# Altium PCB spin5v1_simple.PcbDoc (part 12 of 25) (continued)
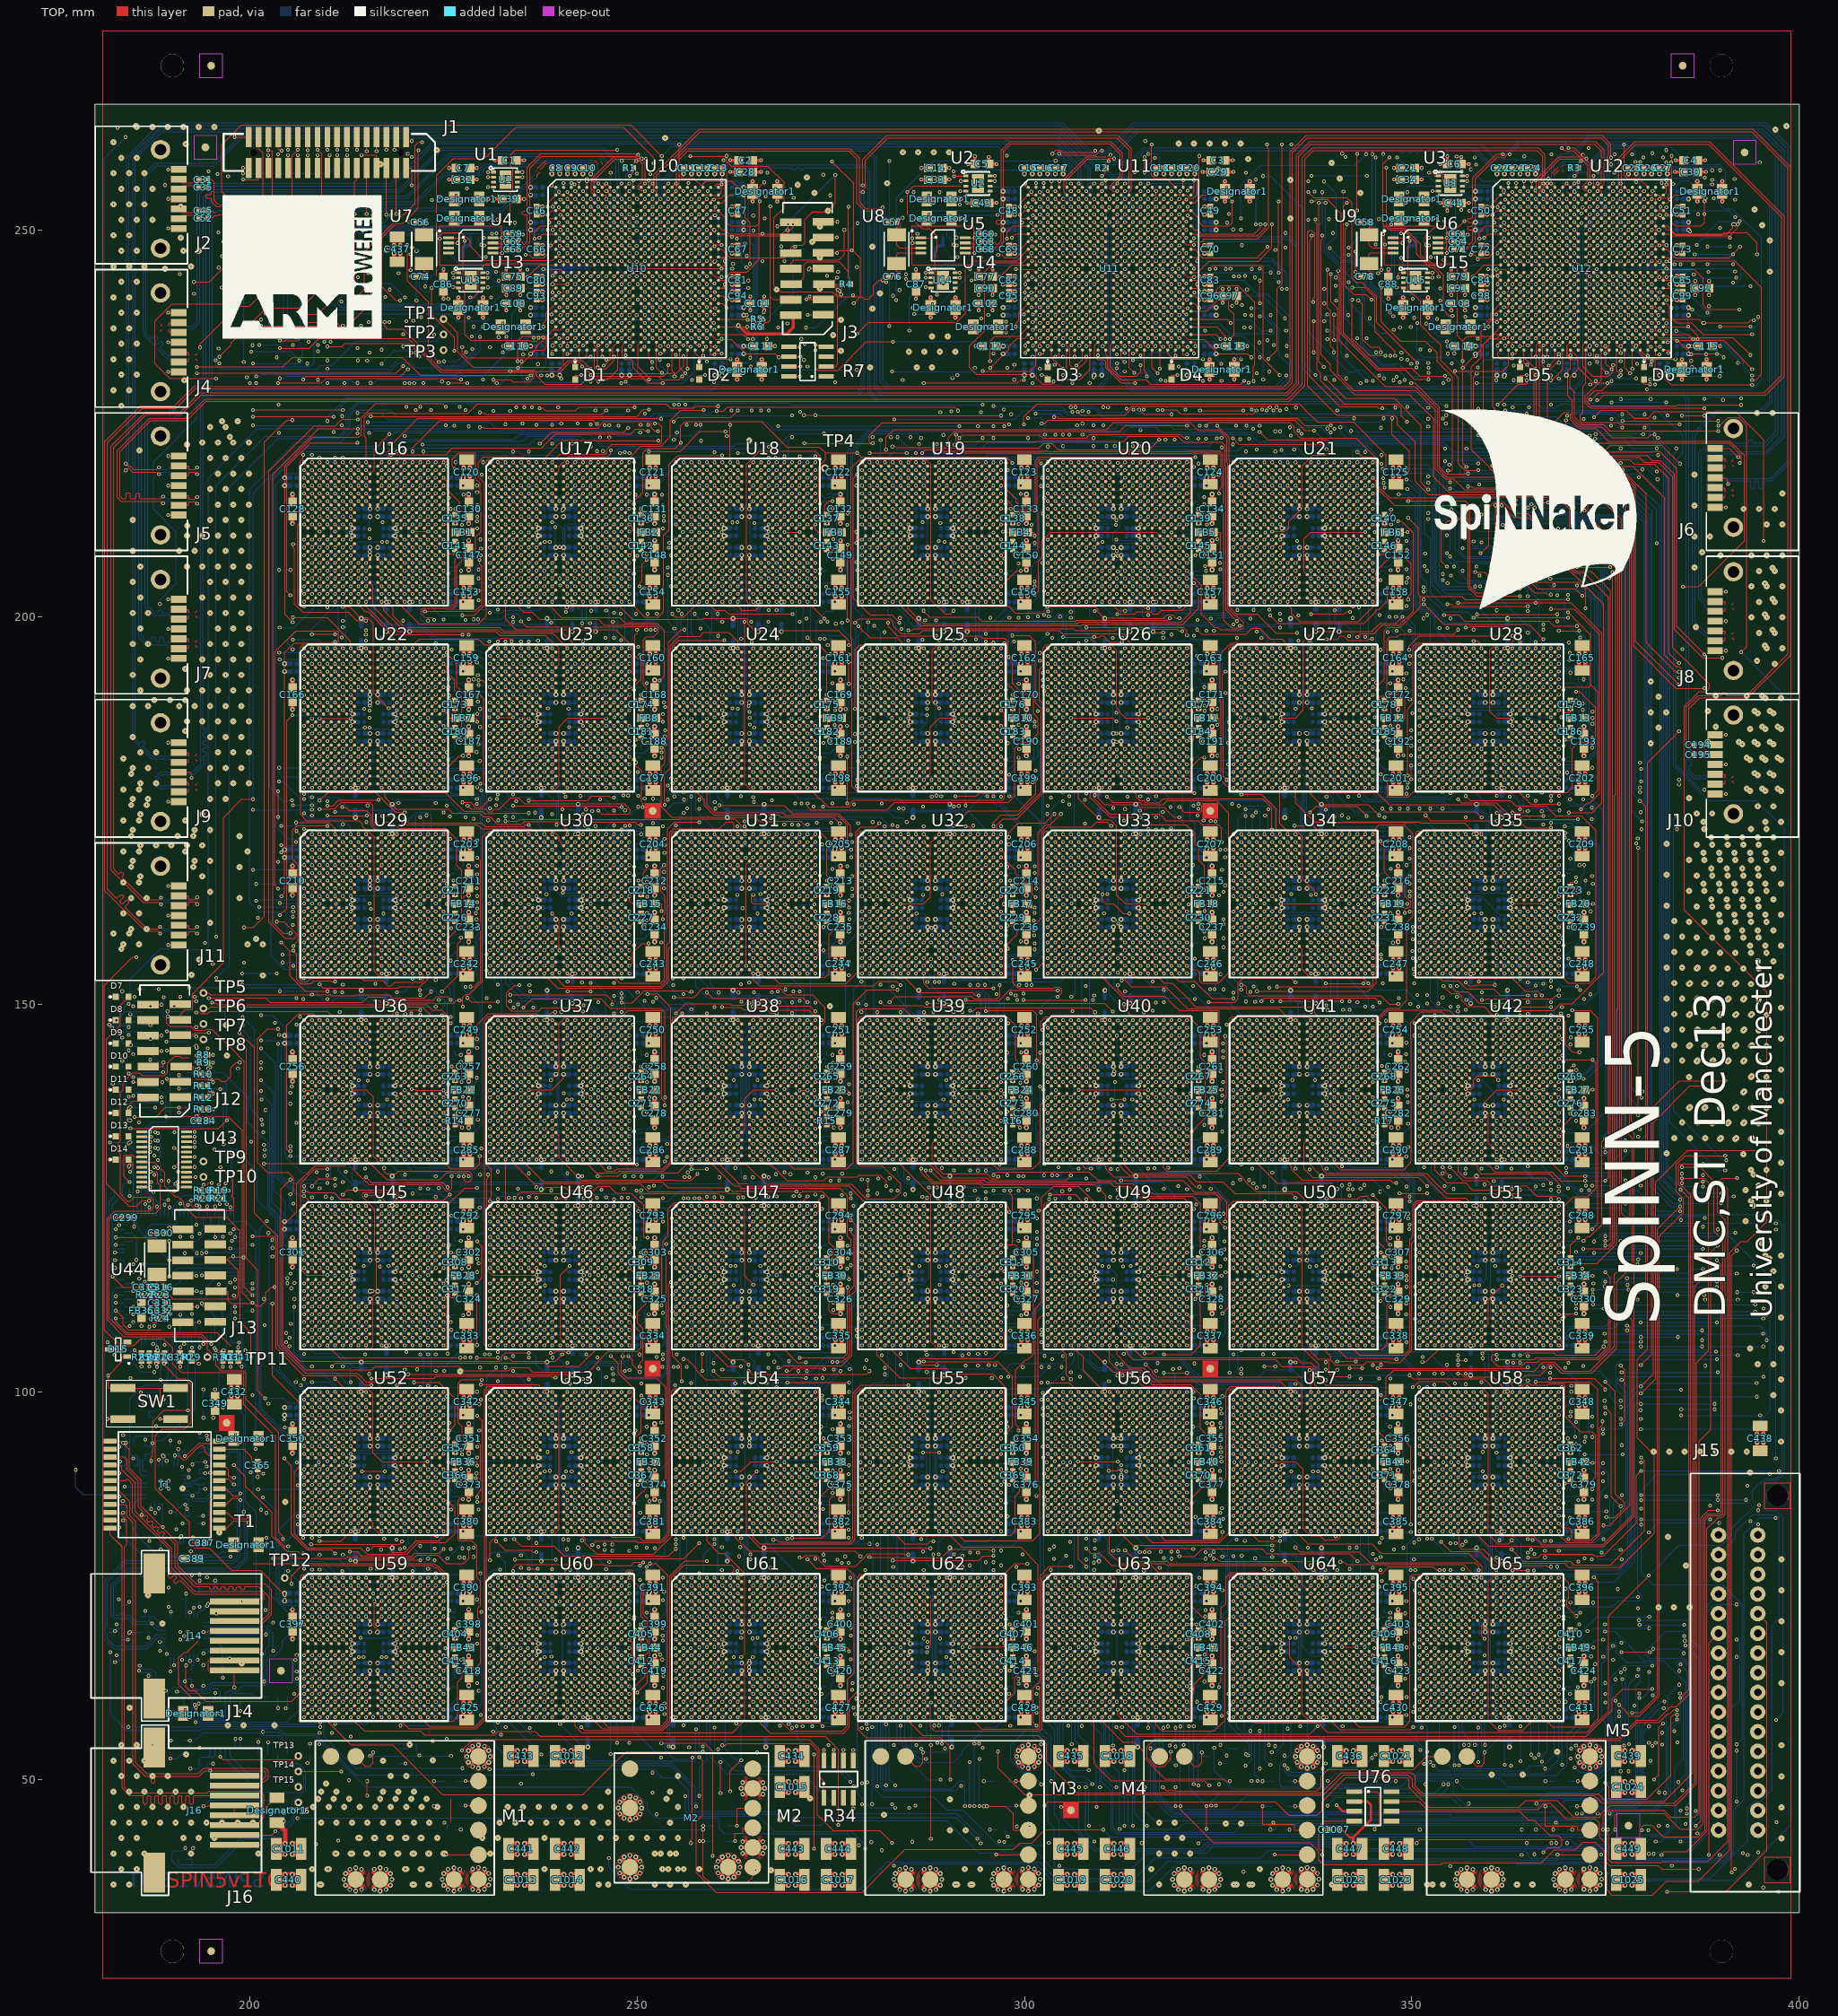
[diagram p0: TOP view]
## Nets (pads, with @x,y where several pads share a name; then routed paths per layer and width w, separated by ;. In a path a pad name is that pad's centre, name@x,y a point inside that pad or via, vN(x,y) a via of type N, cw(c..) or ccw(c..) an arc to the next point about the centre after c; other vN are vias at no path point) (continued)
  other v1: 365,133 368.8,202.853 354.641,204.395 354.464,226.094 328.497,239.021 319,240
S29_L1<5>: U11.U19 U42.V15 | length 55.9
  BOTTOM w0.127: v1(319,239) 319.431,239.431 319.431,242.051 319.876,242.496 324.235,242.496 324.762,241.969 327.997,241.969 328.328,242.3 v1(328.759,242.3) ; v1(346.321,249.465) v1(346.321,259.8) ; v1(366,130) 368.139,127.861 369.621,127.861 371.463,126.019 371.463,125.855 371.717,125.601 378.846,125.601 379.672,124.775 379.672,124.739 381.514,122.897 v1(395.434,122.897)
S29_L1<6>: U11.V19 U42.U15 | length 107.8
  BOTTOM w0.127: v1(358.595,212.069) 361.06,212.069 361.358,212.367 362.816,212.367 363.107,212.076 369.981,212.076 370.347,211.71 372.705,211.71 376.642,207.773 376.642,132.154 375.435,130.947 v1(375,130.947) ; v1(366,131) 366.432,130.568 366.432,129.942 366.94,129.434 v1(375,129.434)
  other v1: 319,238
S29_L1<7>: U11.V21 U42.T15 | length 7.1
  BOTTOM w0.127: v1(314.917,175.02) 316.431,173.506 316.431,171.95 316.812,171.569 318.178,171.569 318.432,171.823 318.432,172.301 v1(318.931,172.8)
  other v1: 366,132 329.17,151.635 320.901,238
S29_L1<8>: U11.V22 U42.R13 | length 14.1
  BOTTOM w0.127: v1(355,139) 355.431,138.569 355.431,135.939 355.939,135.431 359.228,135.431 360.117,134.542 360.117,133.267 360.816,132.568 363.568,132.568 v1(364,133)
  other v1: 354.1,230.23 348.5,237.4 326.619,238
S29_L1<9>: U11.W18 U42.V12
  other v1: 363,130 318,237 346.044,243.175
S29_L1<10>: U11.W20 U42.U12 | length 55.2
  BOTTOM w0.127: v1(320,237) 320.569,236.431 324.053,236.431 324.815,235.669 324.815,235.63 325.014,235.431 325.626,235.431 327.531,233.526 327.531,233.114 328.325,232.32 v1(328.756,232.32) ; v1(345.607,182.8) 345.607,183.232 345.408,183.431 344.939,183.431 344.431,183.939 344.431,206.232 344.232,206.431 340.95,206.431 340.569,206.812 340.569,213.232 340.768,213.431 346.705,213.431 346.904,213.63 346.904,213.647 347.144,213.887 v1(347.335,213.887) ; v1(362.875,128.842) 362.875,129.273 362.569,129.579 362.569,130.569 v1(363,131)
S29_L1<11>: U11.W22 U42.T12 | length 25.2
  TOP w0.127: v1(354.178,200.288) 356.066,200.288 356.843,199.511 367.753,199.511 368.403,198.861 v1(371.342,198.861) ; v1(364,173.919) v1(371.455,173.919)
  other v1: 363,132 325.934,235.918
S29_L1<12>: U11.Y18 U42.R12
  other v1: 363,133 349.267,143.6 349.919,184.4 336.3,185.067 318,236
S29_L1<13>: U11.Y21 U42.V13
  other v1: 364,130 362.2,209.672 356.793,210.191 349.475,233.244 329.297,233.561 314,235
S29_L1<14>: U11.Y22 U42.U13 | length 130.6
  BOTTOM w0.127: v1(325.327,235.918) 325.327,236.109 325.567,236.349 328.229,236.349 330.833,233.745 v1(330.833,230.7) ; v1(354.536,208.272) 354.968,208.704 354.968,212.225 354.711,212.482 354.711,213.301 354.91,213.5 355.365,213.5 356.159,212.706 356.159,212.684 356.259,212.584 360.936,212.584 360.973,212.621 363.324,212.621 363.615,212.33 370.235,212.33 370.601,211.964 372.959,211.964 376.896,208.027 376.896,132.04 375.372,130.516 374.52,130.516 372.797,132.239 369.884,132.239 369.685,132.04 369.685,132.004 369.177,131.496 364.496,131.496 v1(364,131)
  other v1: 345.8,231.23
S29_L1<15>: U11.AB19 U42.T13 | length 103.3
  TOP w0.127: v1(338.863,230.83) 341.423,228.27 347.727,228.27 351.22,224.777 351.22,217.417 v1(352.142,216.495) ; v1(361.635,214.439) 363.199,212.875 365.14,212.875 369.585,208.43 369.585,206.825 370.982,205.428 371.068,205.428 373.481,203.015 373.481,203.006 374.789,201.698 374.789,154.157 370.725,150.093 369.166,150.093 368.328,149.255 v1(364,149.255)
  other v1: 364,132 323.065,233.317
S29_L2<0>: U35.R5 U42.R16 | length 7.3
  BOTTOM w0.127: v1(355,157) 355.432,156.568 355.432,152.212 v1(357.063,150.581)
  other v1: 367,133 365,150.334 362,156
S29_L2<1>: U35.V3 U42.N15 | length 13.2
  TOP w0.127: v1(353,154) 353.925,153.075 356.024,153.075 357.072,152.027 360.605,152.027 361.436,151.196 v1(365,151.196)
  other v1: 366,135
S29_L2<2>: U35.V4 U42.N16 | length 4.1
  BOTTOM w0.127: v1(353.431,150.124) 353.431,153.431 v1(354,154)
  other v1: 367,135
S29_L2<3>: U35.U4 U42.N17
  other v1: 368,135 354,155
S29_L2<4>: U35.T4 U42.N18 | length 14.4
  BOTTOM w0.127: v1(358.6,140.242) 359.037,140.242 360.625,138.654 360.625,135.558 360.752,135.431 368.569,135.431 369,135
  other v1: 354,156
S29_L2<5>: U35.V5 U42.P16 | length 13
  TOP w0.127: v1(355,154) 355.597,153.403 363.004,153.403 364.675,151.732 366.264,151.732 v1(366.8,151.196)
  other v1: 367,134
S29_L2<6>: U35.U5 U42.P17 | length 17.1
  TOP w0.127: v1(355,152.39) 355.693,151.697 357.23,151.697 358.773,150.154 362.262,150.154 362.73,149.686 v1(368,149.686)
  BOTTOM w0.127: v1(355,152.39) 354.568,152.822 354.568,154.568 v1(355,155)
  other v1: 368,134
S29_L2<7>: U35.T5 U42.P18 | length 7.4
  TOP w0.127: v1(368,148.607) 368.431,148.607 368.607,148.431 369.178,148.431 369.862,147.747 369.862,144.814 370.815,143.861 v1(371.667,143.861)
  other v1: 369,134 350.339,152.735 355,156
S29_L2<8>: U35.R7 U42.V18 | length 6.9
  TOP w0.127: v1(369,130) 369.431,130.431 369.431,134.161 370.701,135.431 370.723,135.431 v1(371.227,135.935)
  other v1: 361,133 357,157
S29_L2<9>: U35.V6 U42.R17
  other v1: 368,133 369.4,149.662 356,154
S29_L2<10>: U35.U6 U42.R18
  other v1: 369,133 369.289,148.862 359.065,151.596 356,155
S29_L2<11>: U35.T6 U42.T16
  other v1: 367,132 365,148.824 355.863,152.39 356,156
S29_L2<12>: U35.R6 U42.T17
  other v1: 368,132 355.916,139 356,157
S29_L2<13>: U35.V7 U42.T18
  other v1: 369,132 368,153.068 357,154
S29_L2<14>: U35.U7 U42.U17 | length 12.4
  BOTTOM w0.127: v1(357,155) 357.391,155 357.822,155.431 362.178,155.431 362.496,155.113 362.496,153.873 363.449,152.92 364.301,152.92 364.783,152.438 365.201,152.438 365.662,152.899 366.338,152.899 366.569,152.668 v1(367,152.668)
  other v1: 368,131
S29_L2<15>: U35.T7 U42.U18 | length 10.2
  TOP w0.127: v1(359.065,150.585) 359.496,150.585 359.676,150.765 368.179,150.765 368.569,151.155 v1(369,151.155)
  other v1: 369,131 370.231,148.578 357,156
S30_L0<0>: U11.F18 U51.R11 | length 27.2
  BOTTOM w0.127: v1(362,109) 362.431,109.431 366.05,109.431 366.431,109.812 366.431,113.05 366.812,113.431 369.051,113.431 369.686,114.066 369.686,114.448 370.004,114.766 372.174,114.766 373.27,115.862 v1(384.256,115.862)
  other v1: 318,251
S30_L0<1>: U11.F19 U51.V10 | length 50.8
  BOTTOM w0.127: v1(327.965,251.465) 327.965,255.793 330.505,258.333 342.683,258.333 v1(344.134,259.784) ; v1(361,106) 361.597,105.403 362.884,105.403 363.107,105.18 v1(389.293,105.18)
  other v1: 319,251
S30_L0<2>: U11.F20 U51.U10 | length 21.5
  BOTTOM w0.127: v1(356.478,257.567) 356.478,256.392 357.05,255.82 360.067,255.82 360.512,255.375 360.512,254.877 360.893,254.496 365.113,254.496 365.431,254.178 365.431,245.95 365.812,245.569 366.263,245.569 v1(366.901,244.931)
  other v1: 361,107 371.91,126.032 373.291,166.6 371.342,204.116 367.85,205.605 320,251 354.2,251.132
S30_L0<3>: U11.G19 U51.T10 | length 26.5
  BOTTOM w0.127: v1(361,108) 360.568,108.432 360.568,110.177 360.822,110.431 365.05,110.431 365.431,110.812 365.431,114.068 365.876,114.513 369.233,114.513 369.432,114.712 369.432,115.885 370.639,117.092 v1(379.249,117.092)
  other v1: 353.173,246.442 319,250
S30_L0<4>: U11.G20 U51.R10 | length 29.4
  BOTTOM w0.127: v1(363.171,104.745) 363.711,104.205 370.493,104.205 371.037,104.749 v1(392.103,104.749)
  other v1: 361,109 320,250 389.8,250.246
S30_L0<5>: U11.G22 U51.V11 | length 171.6
  TOP w0.127: v1(338.456,249.293) 338.456,248.862 338.279,248.685 338.279,233.9 339.548,232.631 339.548,231.89 342.66,228.778 349.653,228.778 352.828,225.603 352.828,218.097 354.733,216.192 366.875,216.192 367.037,216.354 367.98,216.354 368.588,215.746 368.626,215.746 370.404,213.968 370.404,209.141 371.357,208.188 373.362,208.188 374.4,207.15 375.925,207.15 376.624,206.451 376.624,149.481 376.447,149.304 376.447,119.132 373.907,116.592 v1(371.237,116.592) ; v1(364,114.944) v1(369.001,114.944)
  other v1: 362,106 331.103,250.729
S30_L0<6>: U11.H16 U51.U11 | length 135.3
  BOTTOM w0.127: v1(338.686,256.265) 340.257,254.694 340.257,249.18 339.431,248.354 339.392,248.354 338.995,247.957 338.995,247.423 340.583,245.835 342.187,245.835 343.902,244.12 343.902,238.654 345.871,236.685 346.874,236.685 350.284,233.275 351.714,233.275 v1(352.145,232.844) ; v1(352.142,218.163) 351.711,217.732 351.711,210.81 352.431,210.09 352.431,203.155 353.955,201.631 353.955,201.624 354.352,201.227 358.571,201.227 360.678,199.12 363.887,199.12 v1(365,198.007) ; v1(359.4,125) 361.146,125 361.715,124.431 369.593,124.431 370.285,123.739 377.212,123.739 378.739,122.212 v1(379.594,122.212) ; v1(365.039,214.161) 365.038,214.162 365.038,214.824 365.237,215.023 366.066,215.023 366.243,214.846 366.857,214.846 367.327,214.376 369.504,214.376 369.974,214.846 376.515,214.846 378.928,212.433 378.928,177.963 v1(379.483,177.408)
  other v1: 362,107 316,249
S30_L0<7>: U11.H17 U51.T11 | length 1.9
  BOTTOM w0.127: v1(338.71,240.507) v1(338.71,242.39)
  other v1: 362,108 349.704,120.993 332.396,247.415 317,249
S30_L0<8>: U11.H18 U51.R9 | length 77.3
  BOTTOM w0.127: v1(314.062,226.797) 314.523,226.336 318.366,226.336 318.669,226.639 319.746,226.639 320.131,226.254 332.322,226.254 332.576,226.508 332.576,226.676 v1(333.007,226.676) ; v1(354.254,126.585) 353.061,127.778 353.014,127.778 352.569,128.223 352.569,143.232 352.768,143.431 367.05,143.431 367.431,143.812 367.431,150.343 367.812,150.724 v1(372.264,150.724) ; v1(354.942,217.439) 355.373,217.439 355.496,217.562 362.024,217.562 362.832,216.754 365.755,216.754 366.124,217.123 v1(367.999,217.123)
  other v1: 359,109 373.265,175.412 371.342,207.072 354.4,225.024 318,249 311.013,251
S30_L0<9>: U11.H19 U51.V8
  other v1: 356,106 358,106 319,249
S30_L0<10>: U11.H20 U51.U8 | length 20.9
  BOTTOM w0.127: v1(373.45,111.265) v1(394.36,111.265)
  other v1: 358,107 321.901,248.931 320,249 372.851,260.574
S30_L0<11>: U11.H21 U51.T8 | length 140.8
  TOP w0.127: v1(341.628,250.729) 341.628,250.298 341.45,250.12 341.45,242.769 342.53,241.689 344.124,241.689 v1(344.809,241.004) ; v1(372.185,119.496) 372.729,120.04 373.012,120.04 374.536,121.564 374.536,132.282 v1(375,132.746)
  BOTTOM w0.127: 358,108 358.431,108.431 359.05,108.431 360.193,109.574 360.193,118.861 360.828,119.496 v1(372.185,119.496) ; v1(362.2,211.506) 362.516,211.822 366.671,211.822 367.806,210.687 371.626,210.687 374.928,207.385 374.928,203.183 375.354,202.757 375.354,133.495 375.036,133.177 375,133.177 v1(375,132.746)
  other v1: 321.901,248.065
S30_L0<12>: U11.H22 U51.R8 | length 71.2
  TOP w0.127: U11.H22@321.5,248.5 322.934,248.5 323.254,248.82 330.073,248.82 331.534,250.281 331.534,260.398 331.333,260.599 v1(331.333,261.03)
  BOTTOM w0.127: v1(357.001,115.069) 356.568,115.502 356.568,122.19 356.886,122.508 367.177,122.508 367.431,122.762 367.431,123.05 367.812,123.431 370.417,123.431 370.862,122.986 370.862,122.269 371.37,121.761 v1(397.037,121.761)
  other v1: 358,109
S30_L0<13>: U11.J19 U51.V9
  other v1: 359,106 319,248
S30_L0<14>: U11.J20 U51.U9 | length 42.8
  BOTTOM w0.127: v1(311.869,210) 312.3,210 312.366,209.934 314.461,209.934 314.561,210.034 314.561,210.177 314.815,210.431 321.21,210.431 321.607,210.034 v1(321.607,209) ; v1(313,244.931) 313.431,245.362 313.431,247.05 313.812,247.431 319.431,247.431 v1(320,248) ; v1(331,163.068) 331.637,162.431 333.232,162.431 333.431,162.232 333.431,162.034 333.531,161.934 338.461,161.934 338.561,162.034 338.561,162.177 338.815,162.431 345.449,162.431 345.784,162.766 347.755,162.766 347.952,162.569 351.207,162.569 351.569,162.931 v1(352,162.931)
  other v1: 359,107 358.067,113.758 355,114.998 354,150.924 329,163.069
S30_L0<15>: U11.J22 U51.T9 | length 18.2
  TOP w0.127: v1(342.312,242.568) 343.906,242.568 345.24,241.234 345.24,236.91 347.018,235.132 347.035,235.132 347.861,234.306 v1(347.861,233.761) ; U51.T9@359.5,108.5 359.891,108.891 359.891,111.928 v1(361.705,113.742)
  other v1: 358,108 359,108 361,111 361,119 361.001,128.972 351.562,202.288 331.402,247.815
S30_L1<0>: U11.J16 U51.V16 | length 27.3
  BOTTOM w0.127: v1(348.658,249.551) 352.299,249.551 353.95,247.9 353.95,246.976 354.395,246.531 v1(356.5,246.531) ; v1(357.994,209.791) 358.425,209.791 358.825,210.191 370.509,210.191 371.052,209.648 371.174,209.648 v1(371.549,209.273) ; v1(371.232,110.773) v1(374.8,110.773)
  other v1: 367,106 316,248
S30_L1<1>: U11.J17 U51.V14
  other v1: 365,106 317,248
S30_L1<2>: U11.K16 U51.U14 | length 32
  BOTTOM w0.127: v1(365,107) 365.431,106.569 369.232,106.569 369.431,106.768 369.431,107.159 370.511,108.239 376.123,108.239 377.387,109.503 v1(395.401,109.503)
  other v1: 316,247 379.503,258.774
S30_L1<3>: U11.K17 U51.T14 | length 43.7
  BOTTOM w0.127: v1(341.882,247.725) 344.918,250.761 v1(344.918,259.799) ; v1(365,108) 365.493,108.493 375.057,108.493 376.929,110.365 v1(394.36,110.365)
  other v1: 317,247
S30_L1<4>: U11.K18 U51.R14 | length 57.6
  BOTTOM w0.127: v1(363,115) 363.431,115 363.806,115.375 367.986,115.375 368.431,115.82 368.431,117.078 368.876,117.523 388.006,117.523 389.225,116.304 v1(394.16,116.304) ; v1(374,257.508) 374,258.663 376.159,260.822 383.34,260.822 385.723,258.439 389.705,258.439 390.531,257.613 390.531,255.124 v1(391.755,253.9)
  other v1: 365,109 318,247
S30_L1<5>: U11.K19 U51.V15 | length 31.1
  BOTTOM w0.127: v1(345.349,248.133) v1(345.349,259.368) ; v1(371.237,118.034) 372.645,118.034 373.076,118.465 v1(387.6,118.465) ; v1(388.201,245.576) v1(391.5,245.576)
  other v1: 366,106 319,247
S30_L1<6>: U11.K20 U51.U15
  other v1: 366,107 379.201,171.43 320,247
S30_L1<7>: U11.K21 U51.T15 | length 119.3
  BOTTOM w0.127: v1(354.942,216.623) 355.373,216.623 355.75,216.246 366.648,216.246 366.756,216.354 369.25,216.354 369.858,215.746 377.567,215.746 380.552,212.761 380.552,133.453 375.408,128.309 v1(369.959,128.309)
  other v1: 366,108 321.07,246
S30_L1<8>: U11.K22 U51.R13 | length 65.1
  TOP w0.127: v1(364,104.749) 364.431,104.749 364.749,105.067 368.337,105.067 368.62,104.784 373.719,104.784 v1(374.8,105.865) ; v1(371.981,209.703) v1(375.952,209.703)
  BOTTOM w0.127: v1(322.332,246) 331.924,246 333.258,244.666 v1(333.258,242.379) ; v1(334.27,224.529) 338.286,224.529 339.927,222.888 357.294,222.888 357.705,222.477 361.723,222.477 362.408,221.792 v1(369,221.792)
  other v1: 364,109
S30_L1<9>: U11.L17 U51.V12 | length 53.3
  BOTTOM w0.127: v1(339.426,247.669) 341.006,246.089 342.328,246.089 344.17,244.247 344.17,243.033 346.964,240.239 348.729,240.239 v1(350.314,238.654) ; v1(354.864,219.704) 355.439,220.279 363.239,220.279 363.847,219.671 370.607,219.671 370.872,219.936 v1(377,219.936) ; v1(362.932,125.2) 363.363,125.2 363.594,125.431 369.886,125.431 371.008,124.309 v1(377.6,124.309)
  other v1: 363,106 317,246
S30_L1<10>: U11.L19 U51.U12 | length 39.4
  BOTTOM w0.127: v1(329.889,250.73) v1(329.889,256.517) ; v1(363,107) 363.432,106.568 363.432,105.942 363.94,105.434 388.212,105.434 388.643,105.865 v1(395.403,105.865)
  other v1: 397.037,120.941 319,246
  other v3: 393.688,105.591
S30_L1<11>: U11.L20 U51.T12
  other v1: 363,108 360.6,127.209 359,213.269 349.885,237.481 350.142,241.107 320,246
S30_L1<12>: U11.L22 U51.R12 | length 4.4
  TOP w0.127: v1(314.793,226.791) 315.376,226.208 v1(319,226.208)
  other v1: 363,109 328.001,129.372 325.73,164.558 315,244.966 321.901,245
S30_L1<13>: U11.M20 U51.V13 | length 114.8
  BOTTOM w0.127: v1(355.141,213.931) 355.587,213.931 356.413,213.105 356.413,213.092 356.667,212.838 360.428,212.838 360.465,212.875 363.832,212.875 364.123,212.584 370.489,212.584 370.855,212.218 374.927,212.218 377.15,209.995 377.15,130.948 375.118,128.916 v1(369.959,128.916) ; v1(364,126.075) v1(368,126.075)
  other v1: 364,106 353.272,238.5 320,244
S30_L1<14>: U11.M21 U51.U13 | length 109
  TOP w0.127: v1(330.402,240.52) v1(330.402,243.465) ; v1(358.431,200.377) v1(368.8,200.377) ; v1(372.176,118.465) 375.367,118.465 376.193,119.291 376.193,176.995 376.37,177.172 376.37,206.324 375.798,206.896 v1(372.434,206.896)
  other v1: 364,107 371.232,111.38 347.693,237.116 321.913,243.931
S30_L1<15>: U11.M22 U51.T13 | length 14.8
  TOP w0.127: U11.M22@321.5,244.5 322.375,244.5 323.814,245.939 330.187,245.939 331.965,247.717 v1(331.965,250.73)
  other v1: 364,108 365,129.105
S30_L2<0>: U42.R5 U51.R16
  other v1: 367,109 356.918,128.209 355,133
S30_L2<1>: U42.V3 U51.N15 | length 13.9
  TOP w0.127: v1(353,130) 353,128.604 354.588,127.016 356.927,127.016 357.846,126.097 362.272,126.097 362.731,125.638 363.362,125.638 v1(364,125)
  other v1: 366,111
S30_L2<2>: U42.V4 U51.N16
  other v1: 367,111 354,130
S30_L2<3>: U42.U4 U51.N17
  other v1: 368,111 354,131
S30_L2<4>: U42.T4 U51.N18 | length 19.2
  TOP w0.127: v1(354.931,129.015) 355.619,128.327 355.619,128.286 356.635,127.27 359.758,127.27 360.412,126.616 364.84,126.616 366.163,125.293 368.569,125.293 v1(369,124.862)
  BOTTOM w0.127: v1(354,132) 354.504,131.496 354.504,129.873 354.931,129.446 v1(354.931,129.015)
  other v1: 369,111
S30_L2<5>: U42.V5 U51.P16
  other v1: 367,110 355,130
S30_L2<6>: U42.U5 U51.P17
  other v1: 368,110 368,124.862 355,131
S30_L2<7>: U42.T5 U51.P18 | length 2.3
  TOP w0.127: v1(369,110) 369.431,110 369.547,110.116 v1(371.227,110.116)
  other v1: 370.116,131.742 355,132
S30_L2<8>: U42.R7 U51.V18 | length 7.8
  BOTTOM w0.127: v1(359.4,126.778) 360.951,126.778 361.11,126.937 366.346,126.937 366.569,126.714 v1(367,126.714)
  other v1: 369,106 357,133
S30_L2<9>: U42.V6 U51.R17 | length 14.2
  TOP w0.127: v1(356,130) 356,128.466 356.826,127.64 367.282,127.64 v1(368,126.922)
  other v1: 368,109
S30_L2<10>: U42.U6 U51.R18
  other v1: 369,109 356,131
S30_L2<11>: U42.T6 U51.T16 | length 19.1
  BOTTOM w0.127: v1(358.466,116.258) 357.693,116.258 357.439,116.004 357.439,107.949 357.82,107.568 366.568,107.568 367,108
  other v1: 356,132
S30_L2<12>: U42.R6 U51.T17
  other v1: 368,108 369.431,111.43 356.973,128.816 356,133
S30_L2<13>: U42.V7 U51.T18 | length 14
  TOP w0.127: v1(357,130) 357.597,129.403 358.242,129.403 358.496,129.149 358.496,128.656 359.004,128.148 367.809,128.148 368.825,127.132 368.825,127.112 369.001,126.936 v1(369.001,126.505)
  other v1: 369,108
S30_L2<14>: U42.U7 U51.U17 | length 16.4
  BOTTOM w0.127: v1(357,131) 357.432,131.432 363.177,131.432 363.431,131.178 363.431,129.639 365.717,127.353 369.109,127.353 v1(370.2,126.262)
  other v1: 368,107
S30_L2<15>: U42.T7 U51.U18 | length 12
  TOP w0.127: v1(359.128,104.972) 359.559,105.403 369.034,105.403 369.431,105.8 369.431,106.569 v1(369,107)
  other v1: 357,132
S31_L0<0>: U12.A2 U58.R11 | length 43
  BOTTOM w0.127: v1(369.607,71.031) 369.607,71.256 369.847,71.496 371.051,71.496 371.84,72.285 376.025,72.285 376.748,73.008 379.344,73.008 379.662,73.326 379.662,73.698 379.182,74.178 379.182,86.891 381.659,89.368 v1(396.237,89.368)
  other v1: 362,85 362.5,256.067
S31_L0<1>: U12.A3 U58.V10 | length 64
  TOP w0.127: v1(361,82) 361.597,81.403 365.719,81.403 366.545,80.577 366.545,80.53 366.799,80.276 374.675,80.276 378.485,84.086 378.485,109.249 v1(377.8,109.934)
  BOTTOM w0.127: v1(377.8,109.934) v1(395.837,109.934)
  other v1: 363.5,256.067 382.876,258.737
S31_L0<2>: U12.A4 U58.U10 | length 91.1
  TOP w0.127: v1(356.8,251.132) 355.983,250.315 352.881,250.315 351.801,249.235 351.801,246.494 352.627,245.668 355.065,245.668 355.891,244.842 355.891,236.36 356.62,235.631 356.62,219.866 v1(357.069,219.417) ; v1(363.001,101.407) 364.261,102.667 365.813,102.667 366.448,103.302 366.448,103.347 366.956,103.855 368.425,103.855 369.124,103.156 369.124,103.145 369.569,102.7 373.018,102.7 376.193,105.875 376.193,115.195 377,116.002 v1(377,119.503)
  BOTTOM w0.127: v1(357.069,219.417) 357.069,218.986 356.832,218.749 356.832,218.324 357.086,218.07 363.852,218.07 364.052,217.87 376.475,217.87 376.79,217.555 v1(377.221,217.555)
  other v1: 361,83 364.5,256.317
S31_L0<3>: U12.A5 U58.T10 | length 62.1
  BOTTOM w0.127: 361,84 361.431,83.569 361.431,81.794 360.897,81.26 360.897,79.574 361.405,79.066 362.598,79.066 362.995,78.669 362.995,78.651 364.265,77.381 366.805,77.381 367.182,77.004 376.733,77.004 378.194,78.465 378.194,99.932 379.401,101.139 v1(394.535,101.139)
  other v1: 365.5,256.317 382.886,260.314
S31_L0<4>: U12.B1 U58.R10 | length 40.8
  TOP w0.127: v1(365.015,78.635) 366.328,78.635 366.762,79.069 373.344,79.069 373.578,78.835 374.738,78.835 378.993,83.09 378.993,89.179 v1(379.613,89.799)
  BOTTOM w0.127: v1(379.613,89.799) v1(397.437,89.799)
  other v1: 360.964,78.635 361,85 360.434,252.998 358.139,259.377 381.065,259.914
S31_L0<5>: U12.B2 U58.V11 | length 98.7
  TOP w0.127: v1(371.278,216.185) 371.709,216.185 372.132,216.608 373.987,216.608 374.686,215.909 374.686,215.013 377.132,212.567 377.132,123.06 v1(377.8,122.392)
  other v1: 373.415,72.8 365.607,80.874 370.262,81.003 356,82 362,82 361,84 361.901,254.931
S31_L0<6>: U12.B3 U58.U11 | length 14.3
  TOP w0.127: v1(364.931,100.607) v1(369.4,100.607)
  BOTTOM w0.127: v1(379.57,108.979) v1(389.4,108.979)
  other v1: 362,83 391.7,250.694 363,254.901 364.535,259.506
S31_L0<7>: U12.C1 U58.T11 | length 57.5
  BOTTOM w0.127: v1(362,84) 362.569,83.431 363.232,83.431 363.431,83.232 363.431,81.924 363.828,81.527 365.593,81.527 366.038,81.082 366.038,80.89 366.864,80.064 374.828,80.064 377.686,82.922 377.686,100.047 376.67,101.063 376.67,101.763 376.869,101.962 v1(395.425,101.962)
S31_L0<8>: U12.D1 U58.R9 | length 57.4
  TOP w0.127: v1(337.594,251.383) 337.594,250.952 337.771,250.775 337.771,231.939 338.255,231.455 338.255,230.556 341.303,227.508 348.106,227.508 348.678,226.936 348.678,225.992 v1(349.404,225.266) ; v1(349.542,215.005) 356.895,215.005 357.53,214.37 357.53,203.983 358.356,203.157 v1(361,203.157)
  other v1: 359,85 362.996,173.428 361,176.956 360.434,251.931
S31_L0<9>: U12.D2 U58.V8 | length 198.1
  TOP w0.127: v1(357.263,216.877) 357.694,216.877 357.871,216.7 365.513,216.7 366.367,217.554 368.392,217.554 369.192,216.754 369.904,216.754 370.266,217.116 375.829,217.116 376.082,216.863 376.116,216.863 378.148,214.831 378.148,133.978 378.739,133.387 378.739,83.959 374.802,80.022 366.332,80.022 366.251,80.103 359.894,80.103 359.005,80.992 359.005,81.006 358.608,81.403 358.597,81.403 v1(358,82)
  BOTTOM w0.127: v1(356.931,238.817) 357.362,238.817 357.745,238.434 360.831,238.434 361.53,239.133 361.53,247.178 361.212,247.496 359.515,247.496 357.927,249.084 357.927,251.987 v1(357.449,252.465)
  other v1: 361.901,252.931
S31_L0<10>: U12.D3 U58.U8 | length 40
  BOTTOM w0.127: v1(345.661,244.4) 347.113,244.4 347.431,244.718 347.431,250.225 347.358,250.298 v1(347.358,250.729) ; v1(358,83) 357.569,83.431 357.569,85.232 357.768,85.431 368.232,85.431 368.431,85.232 368.431,84.95 368.812,84.569 v1(375.131,84.569) ; v1(368,211.456) 368.515,210.941 371.753,210.941 375.182,207.512 375.182,205.777 375.508,205.451 v1(375.508,205.02)
  other v1: 367.599,223.239 363,253
S31_L0<11>: U12.D4 U58.T8 | length 66.1
  BOTTOM w0.127: v1(358,84) 358.569,83.431 359.24,83.431 360.447,82.224 360.447,75.887 360.765,75.569 369.354,75.569 370.017,76.232 372.509,76.232 373.284,75.457 376.134,75.457 378.801,78.124 378.801,98.296 379.881,99.376 v1(394.565,99.376)
  other v1: 364,253 382.294,256.082 365.999,256.399
S31_L0<12>: U12.E1 U58.R8 | length 39.7
  TOP w0.127: v1(375,98) 375.8,97.2 375.8,86.454 v1(377,85.254)
  BOTTOM w0.127: v1(358,85) 358.569,84.431 364.232,84.431 364.431,84.232 364.431,83.939 364.939,83.431 366.232,83.431 366.431,83.232 366.431,80.89 367.003,80.318 374.714,80.318 377,82.604 v1(377,85.254)
  other v1: 360.689,250.966 365.966,255.099
S31_L0<13>: U12.E3 U58.V9 | length 3.8
  BOTTOM w0.127: v1(351.145,234.561) 352.191,235.607 v1(354.542,235.607)
  other v1: 359,82 354.126,246.1 363,252
S31_L0<14>: U12.E4 U58.U9 | length 72.9
  TOP w0.127: v1(379.594,103.47) 380.973,104.849 380.973,136.551 384.593,140.171 v1(390.493,140.171)
  BOTTOM w0.127: v1(359,83) 360.193,81.807 360.193,75.193 360.955,74.431 366.232,74.431 366.431,74.232 366.431,73.952 366.876,73.507 v1(379.231,73.507)
  other v1: 379.546,97.647 364,252
S31_L0<15>: U12.F1 U58.T9 | length 43.7
  TOP w0.127: v1(379.594,99.807) 381.481,101.694 381.481,127.054 385.609,131.182 v1(395.434,131.182)
  other v1: 359,84 358.308,258.429
S31_L1<0>: U11.A20 U58.V16 | length 47.4
  TOP w0.127: v1(374.78,82.759) 375.564,82.759 378.231,85.426 378.231,108.308 377.991,108.548 v1(377.8,108.548)
  BOTTOM w0.127: v1(377.8,108.548) 395.006,108.548 395.832,107.722 v1(395.832,106.679)
  other v1: 367,82 316.434,261.032
S31_L1<1>: U11.B20 U58.V14
  other v1: 365,82 320.099,254.998
S31_L1<2>: U11.B21 U58.U14 | length 43.1
  TOP w0.127: v1(379.594,100.708) 381.227,102.341 381.227,134.787 385.926,139.486 v1(387.6,139.486)
  other v1: 365,83 370.627,100.007 388.3,244.573 322.566,259.567
S31_L1<3>: U11.B22 U58.T14 | length 27.3
  BOTTOM w0.127: v1(365,84) 365.431,84.431 367.232,84.431 367.431,84.232 367.431,81.942 367.939,81.434 374.116,81.434 375.577,82.895 375.577,86.015 v1(375.115,86.477) ; v1(379.594,98.454) v1(389.131,98.454)
  other v1: 387.971,254.9 321.891,256.434
S31_L1<4>: U11.C18 U58.R14
  other v1: 365,85 371.237,188.673 368.4,204.135 318,254
S31_L1<5>: U11.C19 U58.V15
  other v1: 366,82 370.455,83.742 369.05,176.968 319,254
S31_L1<6>: U11.C20 U58.U15
  other v1: 366,83 374.712,94.593 379,170.823 339.318,251.4 345.78,251.4 320,254
S31_L1<7>: U11.C22 U58.T15 | length 30.8
  TOP w0.127: v1(336.656,254.901) 337.372,254.185 341.614,254.185 342.313,253.486 342.313,243.825 342.885,243.253 343.589,243.253 345.494,241.348 345.494,238.053 348.161,235.386 348.172,235.386 v1(350.714,232.844)
  other v1: 366,84 352.143,212.669 324.737,254.901
S31_L1<8>: U11.D18 U58.R13
  other v1: 364,85 358.6,226.894 328.105,240.299 328.105,248.04 318,253
S31_L1<9>: U11.D19 U58.V12 | length 179.9
  BOTTOM w0.127: v1(338.887,253.5) 338.887,248.935 338.741,248.789 338.741,247.169 340.329,245.581 340.346,245.581 343.648,242.279 343.648,235.317 346.252,232.713 348.379,232.713 349.522,231.57 349.522,231.542 349.919,231.145 353.428,231.145 353.912,230.661 v1(354.762,230.661) ; v1(354.537,211.669) 354.537,212.1 354.457,212.18 354.457,213.864 355.029,214.436 359.286,214.436 360.593,213.129 364.341,213.129 364.632,212.838 370.743,212.838 371.109,212.472 375.181,212.472 377.404,210.249 377.404,132.666 v1(377.581,132.489) ; v1(363,82) 363,81.472 363.199,81.273 363.221,81.273 364.11,80.384 364.11,78.914 364.904,78.12 370.014,78.12 370.481,77.653 376.987,77.653 377.94,78.606 377.94,100.692 v1(377.101,101.531)
  other v1: 319,253
S31_L1<10>: U11.D21 U58.U12 | length 19.7
  TOP w0.127: v1(342.958,252.535) v1(342.958,259.807) ; v1(377.217,225.339) v1(389.6,225.339)
  other v1: 363,83 321.099,253
S31_L1<11>: U11.D22 U58.T12 | length 32.4
  TOP w0.127: v1(341.628,253.5) 341.196,253.068 341.196,236.678 345.705,232.169 350.03,232.169 351.054,231.145 v1(354.321,231.145)
  other v1: 363,84 326.829,253.673
S31_L1<12>: U11.E20 U58.R12
  other v1: 363,85 349.953,232.727 320,252
S31_L1<13>: U11.E22 U58.V13
  other v1: 355.43,81.569 364,82 349.742,125.207 327.965,250.033 326.17,250.935 321.099,251.901
S31_L1<14>: U11.F21 U58.U13 | length 59.8
  TOP w0.127: v1(337.086,249.265) 337.086,248.834 336.851,248.599 336.851,231.055 340.725,227.181 345.565,227.181 345.769,226.977 v1(346.2,226.977)
  BOTTOM w0.127: v1(346.2,226.977) 346.631,226.977 346.993,226.615 354.895,226.615 356.609,224.901 368.196,224.901 368.373,224.724 v1(375.752,224.724)
  other v1: 364,83 320.916,250
S31_L1<15>: U11.F22 U58.T13 | length 188.2
  TOP w0.127: v1(339.572,244.295) 339.572,240.73 340.431,239.871 340.431,231.382 342.527,229.286 350.542,229.286 353.082,226.746 353.082,219.14 354.352,217.87 355.408,217.87 356.832,216.446 366.367,216.446 366.529,216.608 368.484,216.608 368.592,216.5 370.412,216.5 370.774,216.862 375.321,216.862 375.574,216.609 375.608,216.609 377.64,214.577 377.64,133.597 378.485,132.752 378.485,116.267 376.447,114.229 376.447,105.621 373.272,102.446 369.315,102.446 368.616,103.145 368.616,103.156 368.171,103.601 367.749,103.601 367.431,103.283 367.431,102.985 366.605,102.159 364.699,102.159 364,101.46 v1(364,101.007)
  other v1: 364,84 330.496,250.729
S31_L2<0>: U51.R5 U58.R16
  other v1: 367,85 355,109 373.357,112.584
S31_L2<1>: U51.V3 U58.N15
  other v1: 366,87 373.335,95.6 353,106
S31_L2<2>: U51.V4 U58.N16 | length 3.5
  TOP w0.127: v1(351.4,103.886) 351.886,103.886 v1(354,106)
  other v1: 355,80.452 365,80.972 367,87
S31_L2<3>: U51.U4 U58.N17 | length 16.7
  BOTTOM w0.127: v1(354,107) 354.569,106.431 359.24,106.431 360.447,105.224 360.447,104.009 361.59,102.866 364.253,102.866 364.38,102.739 367.232,102.739 367.431,102.938 367.431,103.17 v1(367.931,103.17)
  other v1: 368,87
S31_L2<4>: U51.T4 U58.N18 | length 40.5
  TOP w0.127: v1(350.169,100.607) 350.916,101.354 354.308,101.354 355.169,100.493 359.129,100.493 359.891,99.731 359.891,81.617 361.098,80.41 362.486,80.41 v1(362.918,80.842)
  BOTTOM w0.127: v1(362.918,80.842) 363.602,80.158 363.602,79.009 364.745,77.866 368.372,77.866 v1(368.8,77.438)
  other v1: 369,87 354,108

## Text inside footprints (layer, text, board x,y; h text height)
U18: PIN_NUMBER "M17" at 271.166,208.5 h0.24; PIN_NUMBER "J18" at 272.166,211.5 h0.24; PIN_NUMBER "M18" at 272.166,208.5 h0.24; PIN_NUMBER "J17" at 271.166,211.5 h0.24; PIN_NUMBER "C16" at 270.166,217.5 h0.24; PIN_NUMBER "G17" at 271.166,213.5 h0.24; PIN_NUMBER "B13" at 267.166,218.5 h0.24; PIN_NUMBER "A13" at 267.166,219.5 h0.24; PIN_NUMBER "D14" at 268.166,216.5 h0.24; PIN_NUMBER "C14" at 268.166,217.5 h0.24; PIN_NUMBER "B14" at 268.166,218.5 h0.24; PIN_NUMBER "A14" at 268.166,219.5 h0.24; PIN_NUMBER "J16" at 270.166,211.5 h0.24; PIN_NUMBER "C17" at 271.166,217.5 h0.24; PIN_NUMBER "C18" at 272.166,217.5 h0.24; PIN_NUMBER "K17" at 271.166,210.5 h0.24; PIN_NUMBER "K18" at 272.166,210.5 h0.24; PIN_NUMBER "L15" at 269.166,209.5 h0.24; PIN_NUMBER "L16" at 270.166,209.5 h0.24; PIN_NUMBER "C15" at 269.166,217.5 h0.24; PIN_NUMBER "B15" at 269.166,218.5 h0.24; PIN_NUMBER "A15" at 269.166,219.5 h0.24; PIN_NUMBER "B16" at 270.166,218.5 h0.24; PIN_NUMBER "A16" at 270.166,219.5 h0.24; PIN_NUMBER "A17" at 271.166,219.5 h0.24; PIN_NUMBER "A18" at 272.166,219.5 h0.24; PIN_NUMBER "B12" at 266.166,218.5 h0.24; PIN_NUMBER "C12" at 266.166,217.5 h0.24; PIN_NUMBER "D16" at 270.166,216.5 h0.24; PIN_NUMBER "A12" at 266.166,219.5 h0.24; PIN_NUMBER "D13" at 267.166,216.5 h0.24; PIN_NUMBER "K15" at 269.166,210.5 h0.24; PIN_NUMBER "K16" at 270.166,210.5 h0.24; PIN_NUMBER "E18" at 272.166,215.5 h0.24; PIN_NUMBER "F16" at 270.166,214.5 h0.24; PIN_NUMBER "M16" at 270.166,208.5 h0.24; PIN_NUMBER "D12" at 266.166,216.5 h0.24; PIN_NUMBER "P14" at 268.166,206.5 h0.24; PIN_NUMBER "N13" at 267.166,207.5 h0.24; PIN_NUMBER "N14" at 268.166,207.5 h0.24; PIN_NUMBER "M12" at 266.166,208.5 h0.24; PIN_NUMBER "M13" at 267.166,208.5 h0.24; PIN_NUMBER "M14" at 268.166,208.5 h0.24; PIN_NUMBER "H12" at 266.166,212.5 h0.24; PIN_NUMBER "H13" at 267.166,212.5 h0.24; PIN_NUMBER "H14" at 268.166,212.5 h0.24; PIN_NUMBER "E6" at 259.854,215.5 h0.24; PIN_NUMBER "E7" at 260.854,215.5 h0.24; PIN_NUMBER "F7" at 260.854,214.5 h0.24; PIN_NUMBER "E8" at 261.854,215.5 h0.24; PIN_NUMBER "F8" at 261.854,214.5 h0.24; PIN_NUMBER "L5" at 258.854,209.5 h0.24; PIN_NUMBER "L6" at 259.854,209.5 h0.24; PIN_NUMBER "L7" at 260.854,209.5 h0.24; PIN_NUMBER "G7" at 260.854,213.5 h0.24; PIN_NUMBER "G5" at 258.854,213.5 h0.24; PIN_NUMBER "G6" at 259.854,213.5 h0.24; PIN_NUMBER "F5" at 258.854,214.5 h0.24; PIN_NUMBER "F6" at 259.854,214.5 h0.24; PIN_NUMBER "E5" at 258.854,215.5 h0.24; PIN_NUMBER "P11" at 265.166,206.5 h0.24; PIN_NUMBER "N11" at 265.166,207.5 h0.24; PIN_NUMBER "P12" at 266.166,206.5 h0.24; PIN_NUMBER "N12" at 266.166,207.5 h0.24; PIN_NUMBER "P13" at 267.166,206.5 h0.24; PIN_NUMBER "K12" at 266.166,210.5 h0.24; PIN_NUMBER "K13" at 267.166,210.5 h0.24; PIN_NUMBER "K14" at 268.166,210.5 h0.24; PIN_NUMBER "E10" at 263.936,215.5 h0.24; PIN_NUMBER "F10" at 263.936,214.5 h0.24; PIN_NUMBER "J5" at 258.854,211.5 h0.24; PIN_NUMBER "J6" at 259.854,211.5 h0.24; PIN_NUMBER "N9" at 262.854,207.5 h0.24; PIN_NUMBER "P9" at 262.854,206.5 h0.24; PIN_NUMBER "J7" at 260.854,211.5 h0.24; PIN_NUMBER "C13" at 267.166,217.5 h0.24; PIN_NUMBER "B18" at 272.166,218.5 h0.24; PIN_NUMBER "A8" at 261.854,219.5 h0.24; PIN_NUMBER "D9" at 262.854,216.5 h0.24; PIN_NUMBER "C11" at 265.166,217.5 h0.24; PIN_NUMBER "B11" at 265.166,218.5 h0.24; PIN_NUMBER "A11" at 265.166,219.5 h0.24; PIN_NUMBER "D10" at 263.936,216.5 h0.24; PIN_NUMBER "C10" at 263.936,217.5 h0.24; PIN_NUMBER "B10" at 263.936,218.5 h0.24; PIN_NUMBER "A10" at 263.936,219.5 h0.24; PIN_NUMBER "C9" at 262.854,217.5 h0.24; PIN_NUMBER "B9" at 262.854,218.5 h0.24; PIN_NUMBER "A9" at 262.854,219.5 h0.24; PIN_NUMBER "D8" at 261.854,216.5 h0.24; PIN_NUMBER "C8" at 261.854,217.5 h0.24; PIN_NUMBER "B8" at 261.854,218.5 h0.24; PIN_NUMBER "D11" at 265.166,216.5 h0.24; PIN_NUMBER "R17" at 271.166,205.5 h0.24; PIN_NUMBER "V18" at 272.166,202.5 h0.24; PIN_NUMBER "P18" at 272.166,206.5 h0.24; PIN_NUMBER "P17" at 271.166,206.5 h0.24; PIN_NUMBER "P16" at 270.166,206.5 h0.24; PIN_NUMBER "N18" at 272.166,207.5 h0.24; PIN_NUMBER "N17" at 271.166,207.5 h0.24; PIN_NUMBER "N16" at 270.166,207.5 h0.24; PIN_NUMBER "N15" at 269.166,207.5 h0.24; PIN_NUMBER "U17" at 271.166,203.5 h0.24; PIN_NUMBER "T18" at 272.166,204.5 h0.24; PIN_NUMBER "T17" at 271.166,204.5 h0.24; PIN_NUMBER "T16" at 270.166,204.5 h0.24; PIN_NUMBER "R18" at 272.166,205.5 h0.24; PIN_NUMBER "R16" at 270.166,205.5 h0.24; PIN_NUMBER "V12" at 266.166,202.5 h0.24; PIN_NUMBER "R13" at 267.166,205.5 h0.24; PIN_NUMBER "T15" at 269.166,204.5 h0.24; PIN_NUMBER "U15" at 269.166,203.5 h0.24; PIN_NUMBER "V15" at 269.166,202.5 h0.24; PIN_NUMBER "R14" at 268.166,205.5 h0.24; PIN_NUMBER "T14" at 268.166,204.5 h0.24; PIN_NUMBER "U14" at 268.166,203.5 h0.24; PIN_NUMBER "V14" at 268.166,202.5 h0.24; PIN_NUMBER "T13" at 267.166,204.5 h0.24; PIN_NUMBER "U13" at 267.166,203.5 h0.24; PIN_NUMBER "V13" at 267.166,202.5 h0.24; PIN_NUMBER "R12" at 266.166,205.5 h0.24; PIN_NUMBER "T12" at 266.166,204.5 h0.24; PIN_NUMBER "U12" at 266.166,203.5 h0.24; PIN_NUMBER "V16" at 270.166,202.5 h0.24; PIN_NUMBER "V8" at 261.854,202.5 h0.24; PIN_NUMBER "R9" at 262.854,205.5 h0.24; PIN_NUMBER "T11" at 265.166,204.5 h0.24; PIN_NUMBER "U11" at 265.166,203.5 h0.24; PIN_NUMBER "V11" at 265.166,202.5 h0.24; PIN_NUMBER "R10" at 263.936,205.5 h0.24; PIN_NUMBER "T10" at 263.936,204.5 h0.24; PIN_NUMBER "U10" at 263.936,203.5 h0.24; PIN_NUMBER "V10" at 263.936,202.5 h0.24; PIN_NUMBER "T9" at 262.854,204.5 h0.24; PIN_NUMBER "U9" at 262.854,203.5 h0.24; PIN_NUMBER "V9" at 262.854,202.5 h0.24; PIN_NUMBER "R8" at 261.854,205.5 h0.24; PIN_NUMBER "T8" at 261.854,204.5 h0.24; PIN_NUMBER "U8" at 261.854,203.5 h0.24; PIN_NUMBER "R11" at 265.166,205.5 h0.24; PIN_NUMBER "A3" at 256.854,219.5 h0.24; PIN_NUMBER "D5" at 258.854,216.5 h0.24; PIN_NUMBER "C7" at 260.854,217.5 h0.24; PIN_NUMBER "B7" at 260.854,218.5 h0.24; PIN_NUMBER "A7" at 260.854,219.5 h0.24; PIN_NUMBER "D6" at 259.854,216.5 h0.24; PIN_NUMBER "C6" at 259.854,217.5 h0.24; PIN_NUMBER "B6" at 259.854,218.5 h0.24; PIN_NUMBER "A6" at 259.854,219.5 h0.24; PIN_NUMBER "C5" at 258.854,217.5 h0.24; PIN_NUMBER "B5" at 258.854,218.5 h0.24; PIN_NUMBER "A5" at 258.854,219.5 h0.24; PIN_NUMBER "C4" at 257.854,217.5 h0.24; PIN_NUMBER "B4" at 257.854,218.5 h0.24; PIN_NUMBER "A4" at 257.854,219.5 h0.24; PIN_NUMBER "D7" at 260.854,216.5 h0.24; PIN_NUMBER "V6" at 259.854,202.5 h0.24; PIN_NUMBER "R7" at 260.854,205.5 h0.24; PIN_NUMBER "T5" at 258.854,204.5 h0.24; PIN_NUMBER "U5" at 258.854,203.5 h0.24; PIN_NUMBER "V5" at 258.854,202.5 h0.24; PIN_NUMBER "T4" at 257.854,204.5 h0.24; PIN_NUMBER "U4" at 257.854,203.5 h0.24; PIN_NUMBER "V4" at 257.854,202.5 h0.24; PIN_NUMBER "V3" at 256.854,202.5 h0.24; PIN_NUMBER "T7" at 260.854,204.5 h0.24; PIN_NUMBER "U7" at 260.854,203.5 h0.24; PIN_NUMBER "V7" at 260.854,202.5 h0.24; PIN_NUMBER "R6" at 259.854,205.5 h0.24; PIN_NUMBER "T6" at 259.854,204.5 h0.24; PIN_NUMBER "U6" at 259.854,203.5 h0.24; PIN_NUMBER "R5" at 258.854,205.5 h0.24; PIN_NUMBER "B17" at 271.166,218.5 h0.24; PIN_NUMBER "H16" at 270.166,212.5 h0.24; PIN_NUMBER "H15" at 269.166,212.5 h0.24; PIN_NUMBER "G16" at 270.166,213.5 h0.24; PIN_NUMBER "F17" at 271.166,214.5 h0.24; PIN_NUMBER "F18" at 272.166,214.5 h0.24; PIN_NUMBER "D17" at 271.166,216.5 h0.24; PIN_NUMBER "D18" at 272.166,216.5 h0.24; PIN_NUMBER "E16" at 270.166,215.5 h0.24; PIN_NUMBER "E17" at 271.166,215.5 h0.24; PIN_NUMBER "L12" at 266.166,209.5 h0.24; PIN_NUMBER "L13" at 267.166,209.5 h0.24; PIN_NUMBER "L14" at 268.166,209.5 h0.24; PIN_NUMBER "L17" at 271.166,209.5 h0.24; PIN_NUMBER "L18" at 272.166,209.5 h0.24; PIN_NUMBER "J12" at 266.166,211.5 h0.24; PIN_NUMBER "J13" at 267.166,211.5 h0.24; PIN_NUMBER "J14" at 268.166,211.5 h0.24; PIN_NUMBER "H17" at 271.166,212.5 h0.24; PIN_NUMBER "H18" at 272.166,212.5 h0.24; PIN_NUMBER "G12" at 266.166,213.5 h0.24; PIN_NUMBER "G13" at 267.166,213.5 h0.24; PIN_NUMBER "G14" at 268.166,213.5 h0.24; PIN_NUMBER "F13" at 267.166,214.5 h0.24; PIN_NUMBER "F14" at 268.166,214.5 h0.24; PIN_NUMBER "E14" at 268.166,215.5 h0.24; PIN_NUMBER "E9" at 262.854,215.5 h0.24; PIN_NUMBER "F9" at 262.854,214.5 h0.24; PIN_NUMBER "F11" at 265.166,214.5 h0.24; PIN_NUMBER "E11" at 265.166,215.5 h0.24; PIN_NUMBER "F12" at 266.166,214.5 h0.24; PIN_NUMBER "E12" at 266.166,215.5 h0.24; PIN_NUMBER "E13" at 267.166,215.5 h0.24; PIN_NUMBER "P5" at 258.854,206.5 h0.24; PIN_NUMBER "N6" at 259.854,207.5 h0.24; PIN_NUMBER "N5" at 258.854,207.5 h0.24; PIN_NUMBER "M5" at 258.854,208.5 h0.24; PIN_NUMBER "M6" at 259.854,208.5 h0.24; PIN_NUMBER "M7" at 260.854,208.5 h0.24; PIN_NUMBER "K5" at 258.854,210.5 h0.24; PIN_NUMBER "K6" at 259.854,210.5 h0.24; PIN_NUMBER "K7" at 260.854,210.5 h0.24; PIN_NUMBER "H5" at 258.854,212.5 h0.24; PIN_NUMBER "H6" at 259.854,212.5 h0.24; PIN_NUMBER "H7" at 260.854,212.5 h0.24; PIN_NUMBER "P6" at 259.854,206.5 h0.24; PIN_NUMBER "N7" at 260.854,207.5 h0.24; PIN_NUMBER "P7" at 260.854,206.5 h0.24; PIN_NUMBER "N8" at 261.854,207.5 h0.24; PIN_NUMBER "P8" at 261.854,206.5 h0.24; PIN_NUMBER "P10" at 263.936,206.5 h0.24; PIN_NUMBER "N10" at 263.936,207.5 h0.24; PIN_NUMBER "G15" at 269.166,213.5 h0.24; PIN_NUMBER "M15" at 269.166,208.5 h0.24; PIN_NUMBER "G18" at 272.166,213.5 h0.24; PIN_NUMBER "R15" at 269.166,205.5 h0.24; PIN_NUMBER "P15" at 269.166,206.5 h0.24; PIN_NUMBER "J15" at 269.166,211.5 h0.24; PIN_NUMBER "F15" at 269.166,214.5 h0.24; PIN_NUMBER "E15" at 269.166,215.5 h0.24; PIN_NUMBER "D15" at 269.166,216.5 h0.24; PIN_NUMBER "V17" at 271.166,202.5 h0.24; PIN_NUMBER "U16" at 270.166,203.5 h0.24; PIN_NUMBER "M3" at 256.854,208.5 h0.24; PIN_NUMBER "M1" at 254.624,208.5 h0.24; PIN_NUMBER "R4" at 257.854,205.5 h0.24; PIN_NUMBER "N2" at 255.854,207.5 h0.24; PIN_NUMBER "F3" at 256.854,214.5 h0.24; PIN_NUMBER "D1" at 254.624,216.5 h0.24; PIN_NUMBER "D4" at 257.854,216.5 h0.24; PIN_NUMBER "D3" at 256.854,216.5 h0.24; PIN_NUMBER "C3" at 256.854,217.5 h0.24; PIN_NUMBER "C2" at 255.854,217.5 h0.24; PIN_NUMBER "C1" at 254.624,217.5 h0.24; PIN_NUMBER "B3" at 256.854,218.5 h0.24; PIN_NUMBER "B2" at 255.854,218.5 h0.24; PIN_NUMBER "V2" at 255.854,202.5 h0.24; PIN_NUMBER "V1" at 254.624,202.5 h0.24; PIN_NUMBER "B1" at 254.624,218.5 h0.24; PIN_NUMBER "U3" at 256.854,203.5 h0.24; PIN_NUMBER "U2" at 255.854,203.5 h0.24; PIN_NUMBER "U1" at 254.624,203.5 h0.24; PIN_NUMBER "T3" at 256.854,204.5 h0.24; PIN_NUMBER "T2" at 255.854,204.5 h0.24; PIN_NUMBER "T1" at 254.624,204.5 h0.24; PIN_NUMBER "R2" at 255.854,205.5 h0.24; PIN_NUMBER "R1" at 254.624,205.5 h0.24; PIN_NUMBER "P4" at 257.854,206.5 h0.24; PIN_NUMBER "P3" at 256.854,206.5 h0.24; PIN_NUMBER "A2" at 255.854,219.5 h0.24; PIN_NUMBER "P2" at 255.854,206.5 h0.24; PIN_NUMBER "P1" at 254.624,206.5 h0.24; PIN_NUMBER "N4" at 257.854,207.5 h0.24; PIN_NUMBER "N3" at 256.854,207.5 h0.24; PIN_NUMBER "F2" at 255.854,214.5 h0.24; PIN_NUMBER "F1" at 254.624,214.5 h0.24; PIN_NUMBER "E4" at 257.854,215.5 h0.24; PIN_NUMBER "E3" at 256.854,215.5 h0.24; PIN_NUMBER "E2" at 255.854,215.5 h0.24; PIN_NUMBER "E1" at 254.624,215.5 h0.24; PIN_NUMBER "A1" at 254.624,219.5 h0.24; PIN_NUMBER "R3" at 256.854,205.5 h0.24; PIN_NUMBER "N1" at 254.624,207.5 h0.24; PIN_NUMBER "F4" at 257.854,214.5 h0.24; PIN_NUMBER "D2" at 255.854,216.5 h0.24; PIN_NUMBER "J4" at 257.854,211.5 h0.24; PIN_NUMBER "J3" at 256.854,211.5 h0.24; PIN_NUMBER "M4" at 257.854,208.5 h0.24; PIN_NUMBER "J1" at 254.624,211.5 h0.24; PIN_NUMBER "J2" at 255.854,211.5 h0.24; PIN_NUMBER "M2" at 255.854,208.5 h0.24; PIN_NUMBER "G1" at 254.624,213.5 h0.24; PIN_NUMBER "G2" at 255.854,213.5 h0.24; PIN_NUMBER "K4" at 257.854,210.5 h0.24; PIN_NUMBER "H2" at 255.854,212.5 h0.24; PIN_NUMBER "L1" at 254.624,209.5 h0.24; PIN_NUMBER "H1" at 254.624,212.5 h0.24; PIN_NUMBER "L2" at 255.854,209.5 h0.24; PIN_NUMBER "G4" at 257.854,213.5 h0.24; PIN_NUMBER "L3" at 256.854,209.5 h0.24; PIN_NUMBER "G3" at 256.854,213.5 h0.24; PIN_NUMBER "L4" at 257.854,209.5 h0.24; PIN_NUMBER "K1" at 254.624,210.5 h0.24; PIN_NUMBER "H4" at 257.854,212.5 h0.24; PIN_NUMBER "K3" at 256.854,210.5 h0.24; PIN_NUMBER "H3" at 256.854,212.5 h0.24; PIN_NUMBER "K2" at 255.854,210.5 h0.24